# KiCad board sbc.kicad_pcb
title: Atari SBC; date: 2026-03-12; rev: 1.3
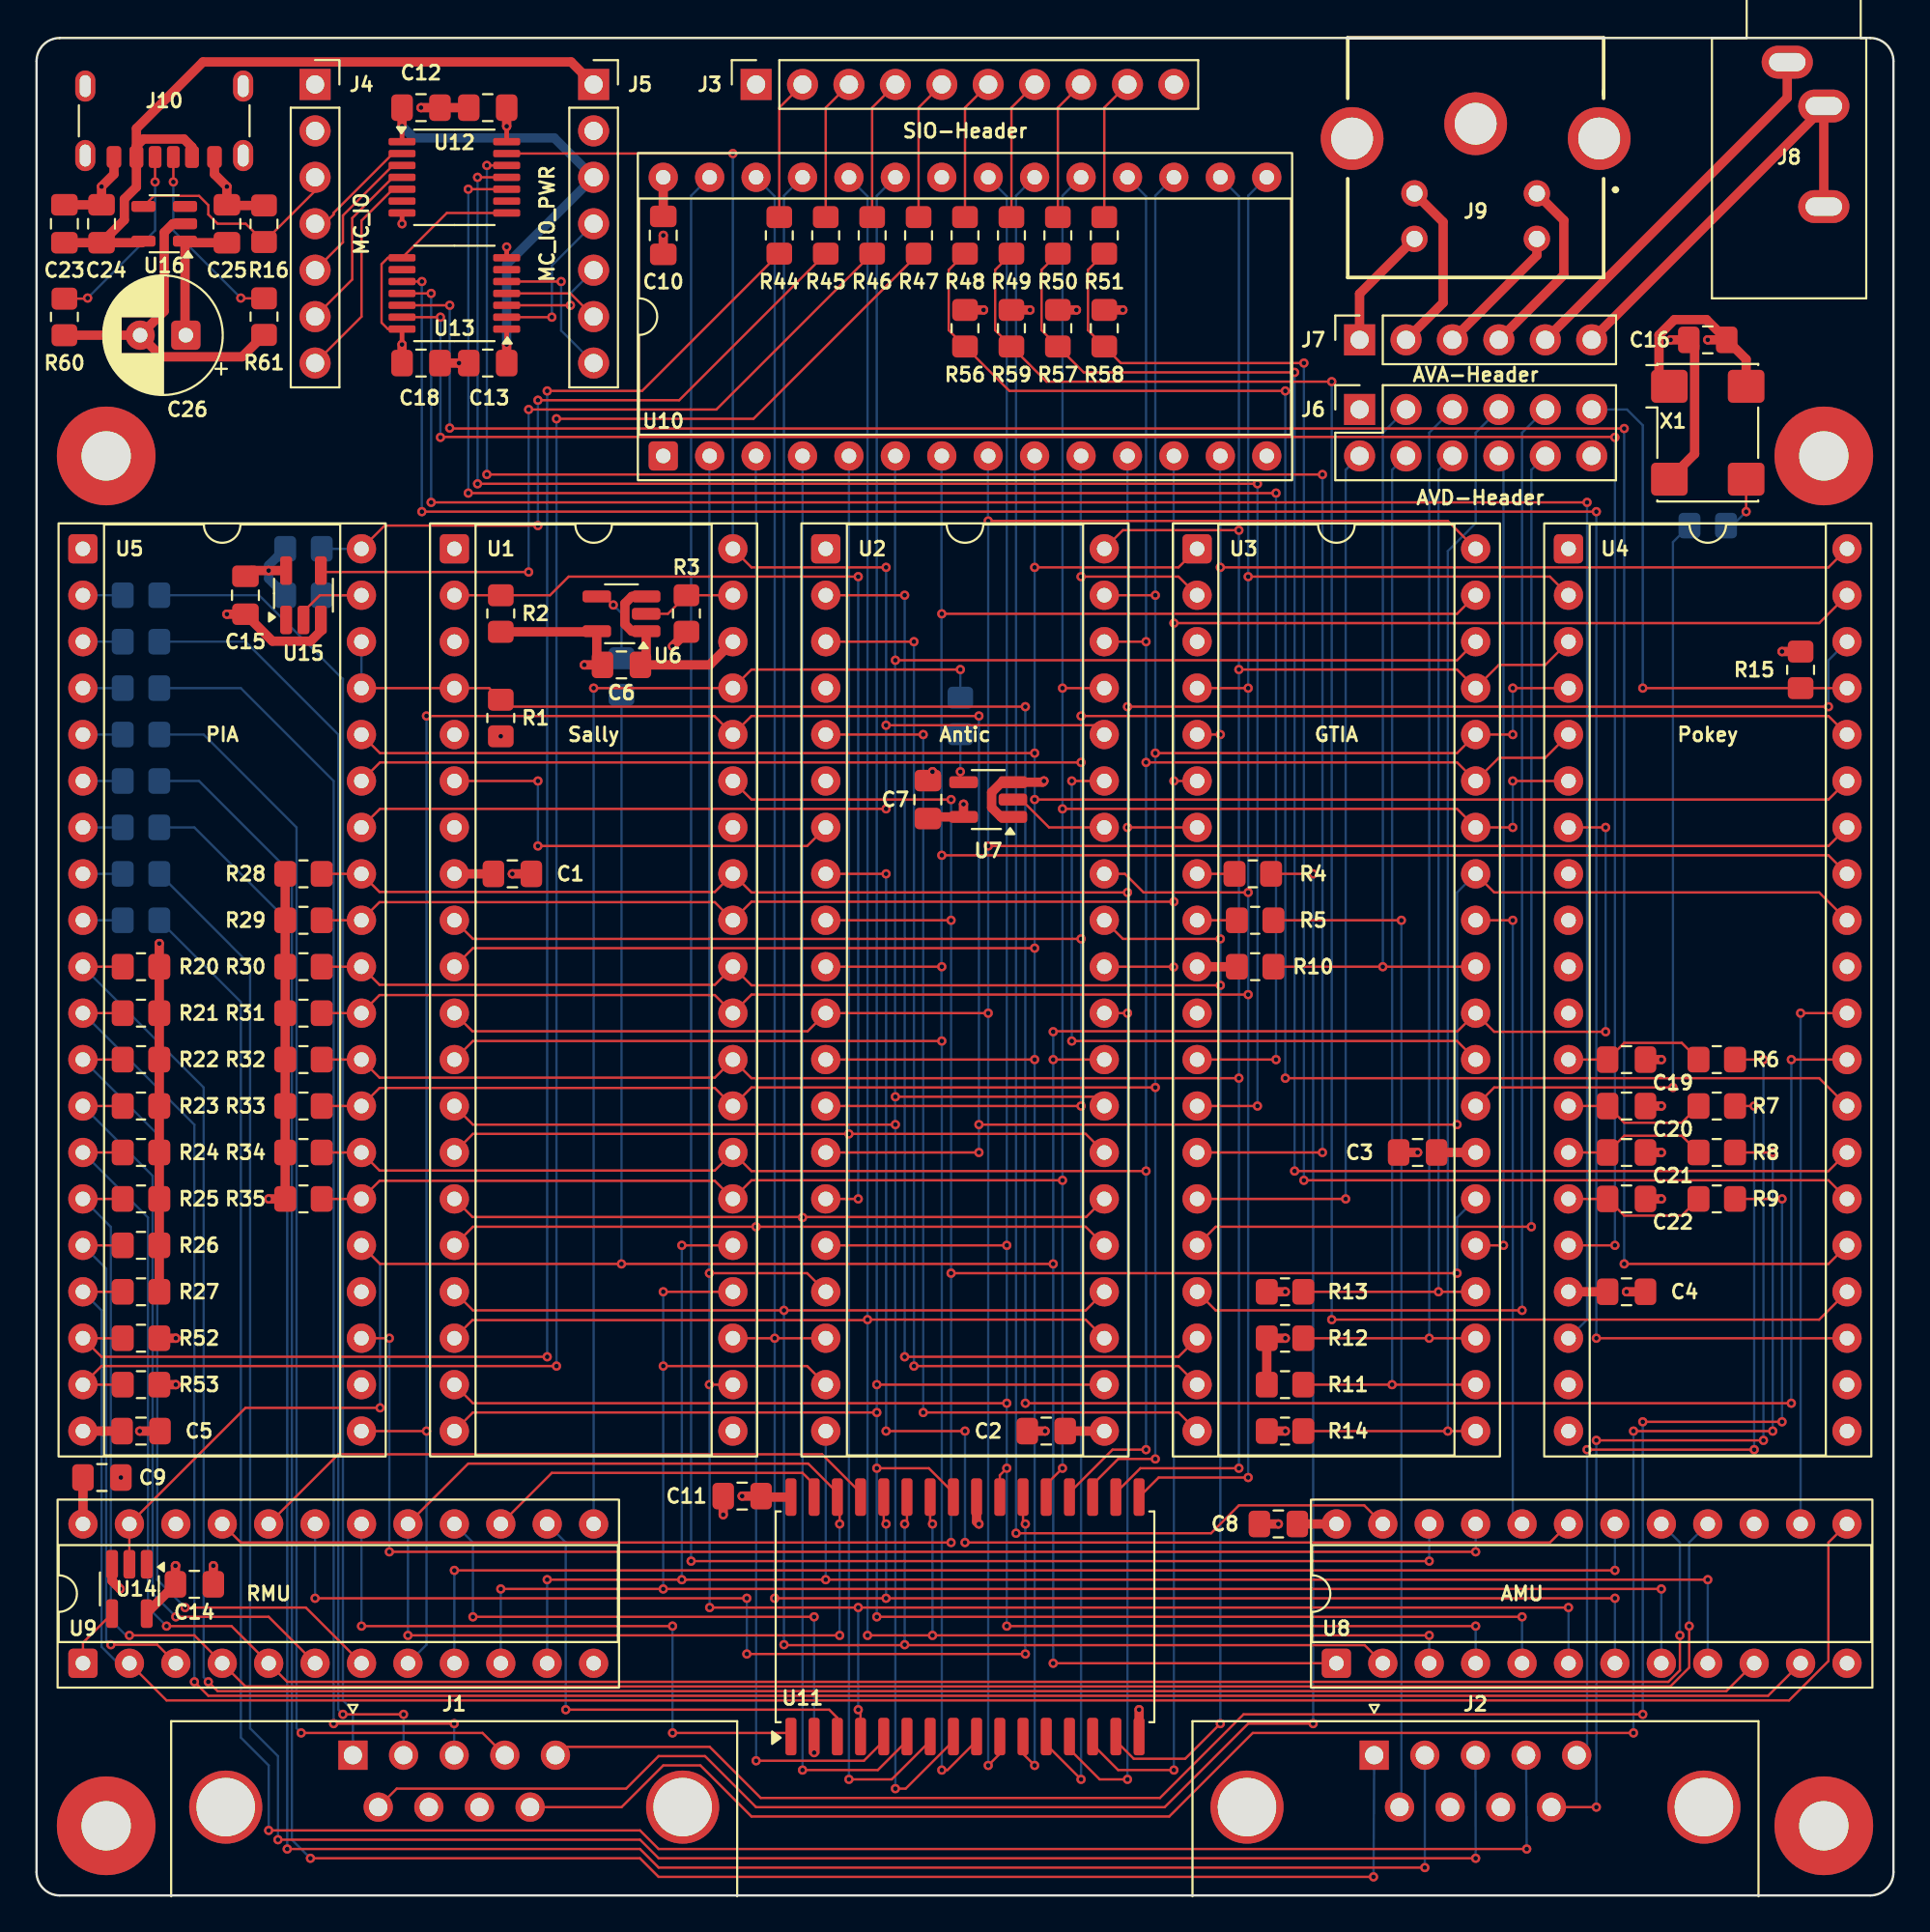
[diagram p0: board, top side]
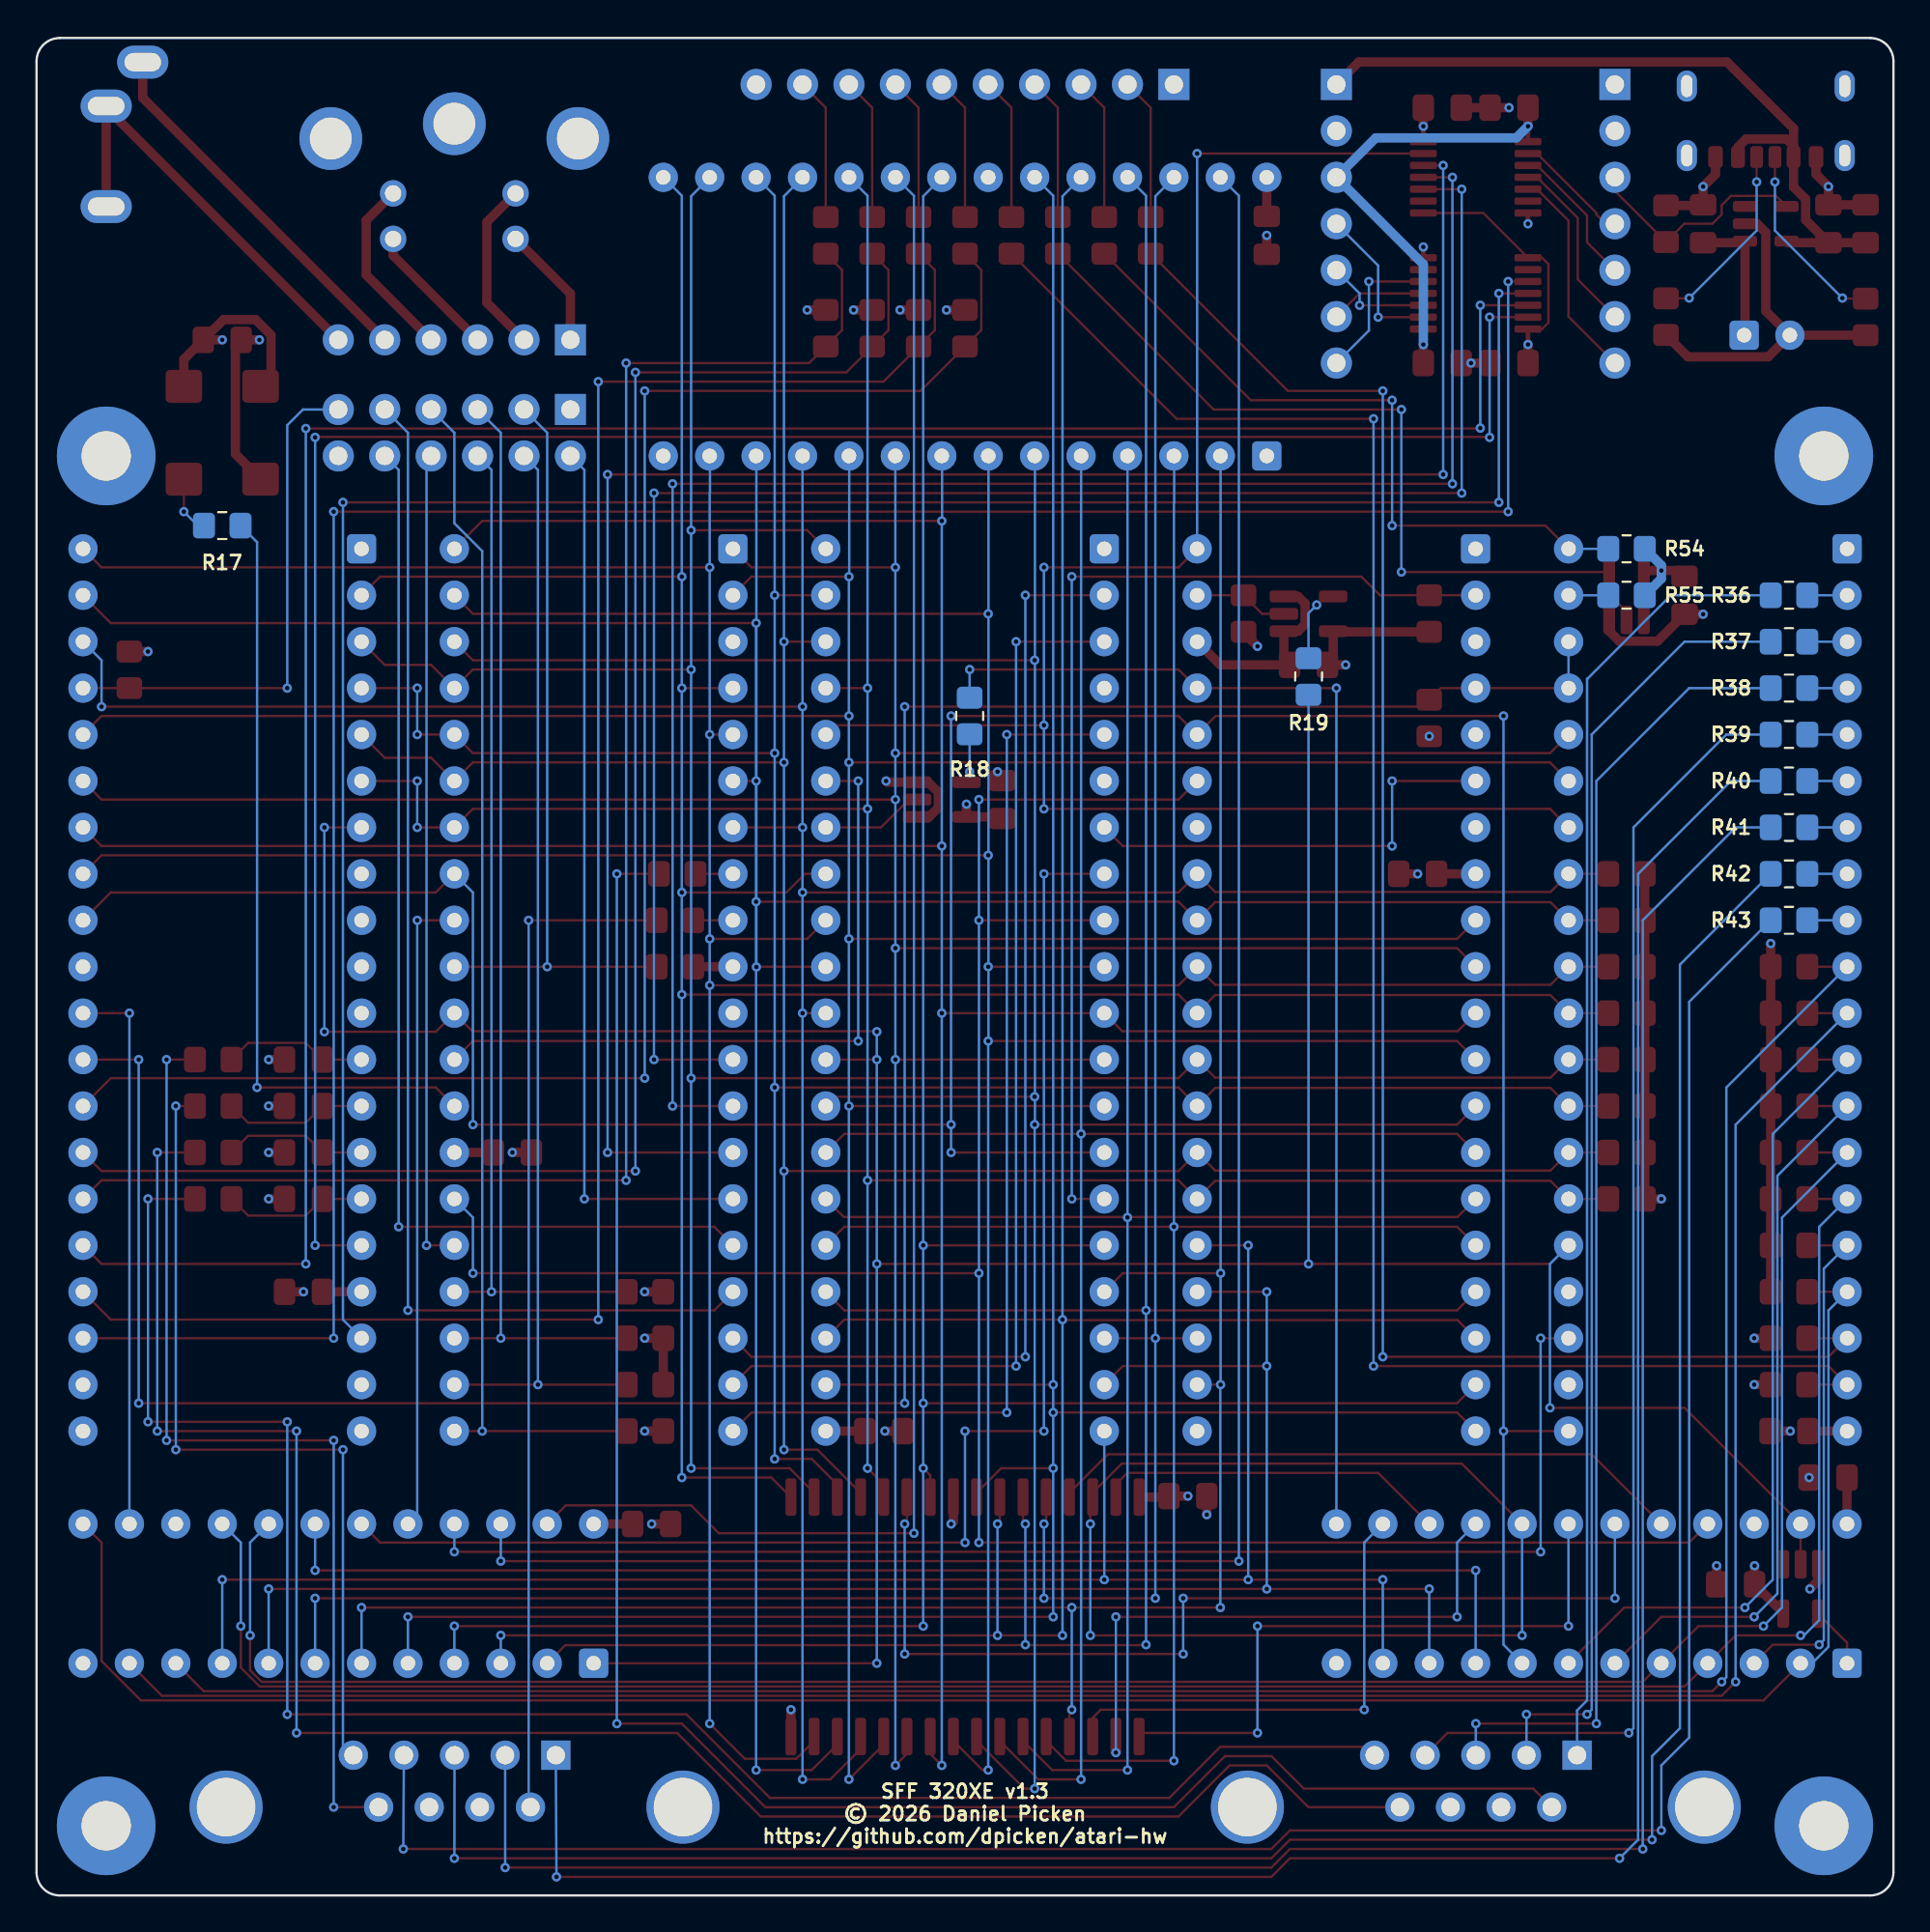
[diagram p1: board, bottom side, seen from below]

Outline 101.6 x 101.6 mm; copper layers: Top, In1.Cu (plane), In2.Cu (plane), Bottom. Coordinates in mm from the lower left corner of the outline.
Outline path: 0,100.33 arc(0.37,101.23) 1.27,101.6 100.33,101.6 arc(101.23,101.23) 101.6,100.33 101.6,1.27 arc(101.23,0.37) 100.33,0 1.27,0 arc(0.37,0.37) 0,1.27 0,100.33
Stack: Top 0.035mm / dielectric 1.51mm FR4 er 4.5 / In1.Cu 0.035mm / dielectric 1.51mm FR4 er 4.5 / In2.Cu 0.035mm / dielectric 1.51mm FR4 er 4.5 / Bottom 0.035mm

## Placement (name value [footprint] x y rotation side)
C1  0.1uF  [C_0805_2012Metric_Pad1.18x1.45mm_HandSolder]  26.04 55.88 0 top
C2  0.1uF  [C_0805_2012Metric_Pad1.18x1.45mm_HandSolder]  55.25 25.4 180 top
C3  0.1uF  [C_0805_2012Metric_Pad1.18x1.45mm_HandSolder]  75.56 40.64 180 top
C4  0.1uF  [C_0805_2012Metric_Pad1.18x1.45mm_HandSolder]  87 33.02 0 top
C5  0.1uF  [C_0805_2012Metric_Pad1.18x1.45mm_HandSolder]  5.72 25.4 0 top
C6  0.1uF  [C_0805_2012Metric_Pad1.18x1.45mm_HandSolder]  32 67.31 0 top
C7  0.1uF  [C_0805_2012Metric_Pad1.18x1.45mm_HandSolder]  48.77 59.94 90 top
C8  0.22uF  [C_0805_2012Metric_Pad1.18x1.45mm_HandSolder]  67.94 20.32 180 top
C9  0.22uF  [C_0805_2012Metric_Pad1.18x1.45mm_HandSolder]  3.58 22.86 0 top
C10  0.1uF  [C_0805_2012Metric_Pad1.18x1.45mm_HandSolder]  34.29 90.81 270 top
C11  0.1uF  [C_0805_2012Metric_Pad1.18x1.45mm_HandSolder]  38.61 21.84 180 top
C12  0.1uF  [C_0805_2012Metric_Pad1.18x1.45mm_HandSolder]  21.04 97.79 0 top
C13  0.1uF  [C_0805_2012Metric_Pad1.18x1.45mm_HandSolder]  24.69 83.82 180 top
C14  0.1uF  [C_0805_2012Metric_Pad1.18x1.45mm_HandSolder]  8.64 17.02 0 top
C15  0.1uF  [C_0805_2012Metric_Pad1.18x1.45mm_HandSolder]  11.43 71.12 270 top
C16  0.1uF  [C_0805_2012Metric_Pad1.18x1.45mm_HandSolder]  91.44 85.09 180 top
C17  0.1uF  [C_0805_2012Metric_Pad1.18x1.45mm_HandSolder]  24.69 97.79 180 top
C18  0.1uF  [C_0805_2012Metric_Pad1.18x1.45mm_HandSolder]  21.04 83.82 0 top
C19  47nF  [C_0805_2012Metric_Pad1.18x1.45mm_HandSolder]  87 45.72 0 top
C20  47nF  [C_0805_2012Metric_Pad1.18x1.45mm_HandSolder]  87 43.18 0 top
C21  47nF  [C_0805_2012Metric_Pad1.18x1.45mm_HandSolder]  87 40.64 0 top
C22  47nF  [C_0805_2012Metric_Pad1.18x1.45mm_HandSolder]  87 38.1 0 top
C23  10uF  [C_0805_2012Metric_Pad1.18x1.45mm_HandSolder]  1.52 91.44 90 top
C24  1uF  [C_0805_2012Metric_Pad1.18x1.45mm_HandSolder]  3.56 91.44 90 top
C25  0.1uF  [C_0805_2012Metric_Pad1.18x1.45mm_HandSolder]  10.41 91.44 90 top
C26  220uF  [CP_Radial_D6.3mm_P2.50mm]  8.17 85.34 180 top
H1  M2.5  [MountingHole_2.7mm_M2.5_Pad]  3.81 78.74 0 top
H2  M2.5  [MountingHole_2.7mm_M2.5_Pad]  3.81 3.81 0 top
H3  M2.5  [MountingHole_2.7mm_M2.5_Pad]  97.79 3.81 0 top
H4  M2.5  [MountingHole_2.7mm_M2.5_Pad]  97.79 78.74 0 top
J1  DE9_Pins_MountingHoles  [DSUB-9_Pins_Horizontal_P2.77x2.84mm_EdgePinOffset4.94mm_Housed_MountingHolesOffset4.94mm]  17.31 7.67 0 top
J2  DE9_Pins_MountingHoles  [DSUB-9_Pins_Horizontal_P2.77x2.84mm_EdgePinOffset4.94mm_Housed_MountingHolesOffset4.94mm]  73.19 7.67 0 top
J3  SIO-Header  [PinSocket_1x10_P2.54mm_Vertical]  39.37 99.06 90 top
J4  MC_IO  [PinSocket_1x07_P2.54mm_Vertical]  15.24 99.06 0 top
J5  MC_IO_PWR  [PinSocket_1x07_P2.54mm_Vertical]  30.48 99.06 0 top
J6  AVD-Header  [PinSocket_2x06_P2.54mm_Vertical]  72.39 81.28 90 top
J7  AVA-Header  [PinSocket_1x06_P2.54mm_Vertical]  72.39 85.09 90 top
J8  AudioOut-Connector  [Jack_3.5mm_CUI_SJ1-3533NG_Horizontal]  95.79 100.28 0 top
J9  VideoOut-Connector  [57492631]  82.09 93.1 0 top
J10  USB_C_Receptacle_PowerOnly_6P  [USB_C_Receptacle_GCT_USB4125-xx-x_6P_TopMnt_Horizontal]  6.98 98.17 180 top
R1  3K  [R_0805_2012Metric_Pad1.20x1.40mm_HandSolder]  25.4 64.41 270 top
R2  3K  [R_0805_2012Metric_Pad1.20x1.40mm_HandSolder]  25.4 70.12 270 top
R3  3K  [R_0805_2012Metric_Pad1.20x1.40mm_HandSolder]  35.56 70.12 270 top
R4  220R  [R_0805_2012Metric_Pad1.20x1.40mm_HandSolder]  66.55 55.88 0 top
R5  220R  [R_0805_2012Metric_Pad1.20x1.40mm_HandSolder]  66.68 53.34 0 top
R6  1.8K  [R_0805_2012Metric_Pad1.20x1.40mm_HandSolder]  91.93 45.72 0 top
R7  1.8K  [R_0805_2012Metric_Pad1.20x1.40mm_HandSolder]  91.93 43.18 0 top
R8  1.8K  [R_0805_2012Metric_Pad1.20x1.40mm_HandSolder]  91.93 40.64 0 top
R9  1.8K  [R_0805_2012Metric_Pad1.20x1.40mm_HandSolder]  91.93 38.1 0 top
R10  1K  [R_0805_2012Metric_Pad1.20x1.40mm_HandSolder]  66.68 50.8 180 top
R11  1K  [R_0805_2012Metric_Pad1.20x1.40mm_HandSolder]  68.31 27.94 180 top
R12  1K  [R_0805_2012Metric_Pad1.20x1.40mm_HandSolder]  68.31 30.48 180 top
R13  1K  [R_0805_2012Metric_Pad1.20x1.40mm_HandSolder]  68.31 33.02 180 top
R14  1K  [R_0805_2012Metric_Pad1.20x1.40mm_HandSolder]  68.31 25.4 180 top
R15  1K  [R_0805_2012Metric_Pad1.20x1.40mm_HandSolder]  96.52 67.04 90 top
R16  10K  [R_0805_2012Metric_Pad1.20x1.40mm_HandSolder]  12.45 91.44 270 top
R17  33R  [R_0805_2012Metric_Pad1.20x1.40mm_HandSolder]  91.44 74.93 0 bottom
R18  33R  [R_0805_2012Metric_Pad1.20x1.40mm_HandSolder]  50.55 64.52 90 bottom
R19  33R  [R_0805_2012Metric_Pad1.20x1.40mm_HandSolder]  32 66.68 270 bottom
R20  3K  [R_0805_2012Metric_Pad1.20x1.40mm_HandSolder]  5.72 50.8 180 top
R21  3K  [R_0805_2012Metric_Pad1.20x1.40mm_HandSolder]  5.72 48.26 180 top
R22  3K  [R_0805_2012Metric_Pad1.20x1.40mm_HandSolder]  5.72 45.72 180 top
R23  3K  [R_0805_2012Metric_Pad1.20x1.40mm_HandSolder]  5.72 43.18 180 top
R24  3K  [R_0805_2012Metric_Pad1.20x1.40mm_HandSolder]  5.72 40.64 180 top
R25  3K  [R_0805_2012Metric_Pad1.20x1.40mm_HandSolder]  5.72 38.1 180 top
R26  3K  [R_0805_2012Metric_Pad1.20x1.40mm_HandSolder]  5.72 35.56 180 top
R27  3K  [R_0805_2012Metric_Pad1.20x1.40mm_HandSolder]  5.72 33.02 180 top
R28  10K  [R_0805_2012Metric_Pad1.20x1.40mm_HandSolder]  14.61 55.88 0 top
R29  10K  [R_0805_2012Metric_Pad1.20x1.40mm_HandSolder]  14.61 53.34 0 top
R30  10K  [R_0805_2012Metric_Pad1.20x1.40mm_HandSolder]  14.61 50.8 0 top
R31  10K  [R_0805_2012Metric_Pad1.20x1.40mm_HandSolder]  14.61 48.26 0 top
R32  10K  [R_0805_2012Metric_Pad1.20x1.40mm_HandSolder]  14.61 45.72 0 top
R33  10K  [R_0805_2012Metric_Pad1.20x1.40mm_HandSolder]  14.61 43.18 0 top
R34  10K  [R_0805_2012Metric_Pad1.20x1.40mm_HandSolder]  14.61 40.64 0 top
R35  10K  [R_0805_2012Metric_Pad1.20x1.40mm_HandSolder]  14.61 38.1 0 top
R36  220R  [R_0805_2012Metric_Pad1.20x1.40mm_HandSolder]  5.72 71.12 0 bottom
R37  220R  [R_0805_2012Metric_Pad1.20x1.40mm_HandSolder]  5.72 68.58 0 bottom
R38  220R  [R_0805_2012Metric_Pad1.20x1.40mm_HandSolder]  5.72 66.04 0 bottom
R39  220R  [R_0805_2012Metric_Pad1.20x1.40mm_HandSolder]  5.72 63.5 0 bottom
R40  220R  [R_0805_2012Metric_Pad1.20x1.40mm_HandSolder]  5.72 60.96 0 bottom
R41  220R  [R_0805_2012Metric_Pad1.20x1.40mm_HandSolder]  5.72 58.42 0 bottom
R42  220R  [R_0805_2012Metric_Pad1.20x1.40mm_HandSolder]  5.72 55.88 0 bottom
R43  220R  [R_0805_2012Metric_Pad1.20x1.40mm_HandSolder]  5.72 53.34 0 bottom
R44  100R  [R_0805_2012Metric_Pad1.20x1.40mm_HandSolder]  40.64 90.81 90 top
R45  100R  [R_0805_2012Metric_Pad1.20x1.40mm_HandSolder]  43.18 90.81 90 top
R46  100R  [R_0805_2012Metric_Pad1.20x1.40mm_HandSolder]  45.72 90.81 90 top
R47  100R  [R_0805_2012Metric_Pad1.20x1.40mm_HandSolder]  48.26 90.81 90 top
R48  100R  [R_0805_2012Metric_Pad1.20x1.40mm_HandSolder]  50.8 90.81 90 top
R49  100R  [R_0805_2012Metric_Pad1.20x1.40mm_HandSolder]  53.34 90.81 90 top
R50  100R  [R_0805_2012Metric_Pad1.20x1.40mm_HandSolder]  55.88 90.81 90 top
R51  100R  [R_0805_2012Metric_Pad1.20x1.40mm_HandSolder]  58.42 90.81 90 top
R52  4.7K  [R_0805_2012Metric_Pad1.20x1.40mm_HandSolder]  5.72 30.48 180 top
R53  4.7K  [R_0805_2012Metric_Pad1.20x1.40mm_HandSolder]  5.72 27.94 180 top
R54  4.7K  [R_0805_2012Metric_Pad1.20x1.40mm_HandSolder]  14.61 73.66 0 bottom
R55  4.7K  [R_0805_2012Metric_Pad1.20x1.40mm_HandSolder]  14.61 71.12 0 bottom
R56  4.7K  [R_0805_2012Metric_Pad1.20x1.40mm_HandSolder]  50.8 85.73 270 top
R57  4.7K  [R_0805_2012Metric_Pad1.20x1.40mm_HandSolder]  55.88 85.73 270 top
R58  4.7K  [R_0805_2012Metric_Pad1.20x1.40mm_HandSolder]  58.42 85.73 270 top
R59  4.7K  [R_0805_2012Metric_Pad1.20x1.40mm_HandSolder]  53.34 85.73 270 top
R60  5.1K  [R_0805_2012Metric_Pad1.20x1.40mm_HandSolder]  1.52 86.34 90 top
R61  5.1K  [R_0805_2012Metric_Pad1.20x1.40mm_HandSolder]  12.45 86.36 90 top
U1  Sally  [DIP-40_W15.24mm_Socket]  22.86 73.66 0 top
U2  Antic  [DIP-40_W15.24mm_Socket]  43.18 73.66 0 top
U3  GTIA  [DIP-40_W15.24mm_Socket]  63.5 73.66 0 top
U4  Pokey  [DIP-40_W15.24mm_Socket]  83.82 73.66 0 top
U5  PIA  [DIP-40_W15.24mm_Socket]  2.54 73.66 0 top
U6  74AHCT1G125GV,125  [SOT-23-5_HandSoldering]  32 70.1 180 top
U7  74AHCT1G125GV,125  [SOT-23-5_HandSoldering]  52.07 59.94 180 top
U8  AMU  [DIP-24_W7.62mm_Socket]  71.12 12.7 90 top
U9  RMU  [DIP-24_W7.62mm_Socket]  2.54 12.7 90 top
U10  AT27C256R  [DIP-28_W15.24mm_Socket]  34.29 78.74 90 top
U11  AS6C4008-55SIN  [SOP-32_11.305x20.495mm_P1.27mm]  50.8 15.24 90 top
U12  TXU0104  [TSSOP-14_4.4x5mm_P0.65mm]  22.86 93.98 0 top
U13  TXU0204  [TSSOP-14_4.4x5mm_P0.65mm]  22.86 87.63 180 top
U14  74AHCT1G04  [SOT-23-5_HandSoldering]  5.08 16.76 270 top
U15  74AHCT1G04  [SOT-23-5_HandSoldering]  14.61 71.12 90 top
U16  AP22814AW5  [SOT-23-5]  6.98 91.44 180 top
X1  3.579545 MHz  [Oscillator_SMD_SeikoEpson_SG8002CA-4Pin_7.0x5.0mm]  91.44 80.01 270 top

## Library data of the parts
C1-C25 = -: Description: Unpolarized capacitor; ki_fp_filters: C_*
C26 = -: Description: Polarized capacitor, US symbol; ki_fp_filters: CP_*
H1-H4 = -: Description: Mounting Hole with connection; ki_fp_filters: MountingHole*Pad*
J1 J2 = -: Description: 9-pin D-SUB connector, pins (male), Mounting Hole; ki_fp_filters: DSUB*Pins*
J3 = -: Description: Generic connector, single row, 01x10, script generated; ki_fp_filters: Connector*:*_1x??_*
J4 J5 = -: Description: Generic connector, single row, 01x07, script generated; ki_fp_filters: Connector*:*_1x??_*
J6 = -: Description: Generic connector, double row, 02x06, odd/even pin numbering scheme (row 1 odd numbers, row 2 even numbers), script generated (kicad-library-utils/schlib/autogen/connector/); ki_fp_filters: Connector*:*_2x??_*
J7 = -: Description: Generic connector, single row, 01x06, script generated; ki_fp_filters: Connector*:*_1x??_*
J8 = -: Description: Audio Jack, 3 Poles (Stereo / TRS); ki_fp_filters: Jack*
J9 = -: Datasheet: http://service.powerdynamics.com/ec/Catalog17/Section%2011.pdf; Description: 4-pin Mini-DIN connector; ki_fp_filters: MINI?DIN*
J10 = -: Datasheet: https://www.usb.org/sites/default/files/documents/usb_type-c.zip; Description: USB Power-Only 6P Type-C Receptacle connector; ki_fp_filters: USB*C*Receptacle*
R1-R61 = -: Description: Resistor; ki_fp_filters: R_*
U6 U7 = -: Datasheet: http://www.ti.com/lit/sg/scyt129e/scyt129e.pdf; Description: Single Buffer Gate Tri-State, Low-Voltage CMOS; ki_fp_filters: SOT* SG-*
U8 U9 = -: Datasheet: https://ww1.microchip.com/downloads/en/DeviceDoc/doc0735.pdf
U10 = -: Datasheet: http://ww1.microchip.com/downloads/en/DeviceDoc/doc0014.pdf; Description: OTP EPROM 256 KiBit; ki_fp_filters: DIP*W15.24mm*
U11 = -: Datasheet: https://www.alliancememory.com/wp-content/uploads/pdf/AS6C4008.pdf; Description: 512K x 8 Low Power CMOS RAM, DIP-32; ki_fp_filters: DIP*W15.24mm*
U12 = -: Datasheet: http://www.ti.com/lit/ds/symlink/txb0104.pdf; Description: 4-Bit Bidirectional Voltage-Level Translator, Auto Direction Sensing and ±15-kV ESD Protection, 1.2 - 3.6V APort, 1.65 - 5.5V BPort, SOIC-14; ki_fp_filters: SOIC*14*7mm*P1.27mm*
U13 = -: Datasheet: http://www.ti.com/lit/ds/symlink/txb0104.pdf; Description: 4-Bit Bidirectional Voltage-Level Translator, Auto Direction Sensing and ±15-kV ESD Protection, 1.2 - 3.6V APort, 1.65 - 5.5V BPort, TSSOP-14; ki_fp_filters: TSSOP*14*5mm*P0.65mm*
U14 U15 = -: Datasheet: http://www.ti.com/lit/sg/scyt129e/scyt129e.pdf; Description: Single NOT Gate, Low-Voltage CMOS; ki_fp_filters: SOT* SG-*
U16 = -: Datasheet: https://www.diodes.com/assets/Datasheets/AP22804_14.pdf; Description: Current limited 3A power switch, single channel, SOT-23-5; ki_fp_filters: SOT?23*
X1 = -: Datasheet: https://support.epson.biz/td/api/doc_check.php?mode=dl&lang=en&Parts=SG-8002DC; Description: CMOS Clock Oscillator 1 to 125 MHz; ki_fp_filters: Oscillator*SMD*SeikoEpson*SG8002CA*7.0x5.0mm*

## Footprints (pads in the part's own frame, mm; a bottom-side part is the same pattern mirrored in y, then rotated)
57492631
  round 1.446 hole 0.89: 1(-6.7,0) 2(0,0) 3(-6.7,-2.49) 4(0,-2.49)
  round 3.435 hole 2.29: MH1(-3.35,3.81) MH2(-10.11,3) MH3(3.41,3)
C_0805_2012Metric_Pad1.18x1.45mm_HandSolder
  rrect 1.175x1.45 smd: 1(-1.038,0) 2(1.038,0)
CP_Radial_D6.3mm_P2.50mm
  rrect 1.6x1.6 hole 0.8: 1(0,0)
  round 1.6 hole 0.8: 2(2.5,0)
DIP-24_W7.62mm_Socket
  rrect 1.6x1.6 hole 0.8: 1(0,0)
  round 1.6 hole 0.8: 2(0,-2.54) 3(0,-5.08) 4(0,-7.62) 5(0,-10.16) 6(0,-12.7) 7(0,-15.24) 8(0,-17.78) 9(0,-20.32) 10(0,-22.86) 11(0,-25.4) 12(0,-27.94) 13(7.62,-27.94) 14(7.62,-25.4) 15(7.62,-22.86) 16(7.62,-20.32) 17(7.62,-17.78) 18(7.62,-15.24) 19(7.62,-12.7) 20(7.62,-10.16) 21(7.62,-7.62) 22(7.62,-5.08) 23(7.62,-2.54) 24(7.62,0)
DIP-28_W15.24mm_Socket
  rrect 1.6x1.6 hole 0.8: 1(0,0)
  round 1.6 hole 0.8: 2(0,-2.54) 3(0,-5.08) 4(0,-7.62) 5(0,-10.16) 6(0,-12.7) 7(0,-15.24) 8(0,-17.78) 9(0,-20.32) 10(0,-22.86) 11(0,-25.4) 12(0,-27.94) 13(0,-30.48) 14(0,-33.02) 15(15.24,-33.02) 16(15.24,-30.48) 17(15.24,-27.94) 18(15.24,-25.4) 19(15.24,-22.86) 20(15.24,-20.32) 21(15.24,-17.78) 22(15.24,-15.24) 23(15.24,-12.7) 24(15.24,-10.16) 25(15.24,-7.62) 26(15.24,-5.08) 27(15.24,-2.54) 28(15.24,0)
DIP-40_W15.24mm_Socket
  rrect 1.6x1.6 hole 0.8: 1(0,0)
  round 1.6 hole 0.8: 2(0,-2.54) 3(0,-5.08) 4(0,-7.62) 5(0,-10.16) 6(0,-12.7) 7(0,-15.24) 8(0,-17.78) 9(0,-20.32) 10(0,-22.86) 11(0,-25.4) 12(0,-27.94) 13(0,-30.48) 14(0,-33.02) 15(0,-35.56) 16(0,-38.1) 17(0,-40.64) 18(0,-43.18) 19(0,-45.72) 20(0,-48.26) 21(15.24,-48.26) 22(15.24,-45.72) 23(15.24,-43.18) 24(15.24,-40.64) 25(15.24,-38.1) 26(15.24,-35.56) 27(15.24,-33.02) 28(15.24,-30.48) 29(15.24,-27.94) 30(15.24,-25.4) 31(15.24,-22.86) 32(15.24,-20.32) 33(15.24,-17.78) 34(15.24,-15.24) 35(15.24,-12.7) 36(15.24,-10.16) 37(15.24,-7.62) 38(15.24,-5.08) 39(15.24,-2.54) 40(15.24,0)
DSUB-9_Pins_Horizontal_P2.77x2.84mm_EdgePinOffset4.94mm_Housed_MountingHolesOffset4.94mm
  round 4 hole 3.2: 0(-6.96,-2.84) 0(18.04,-2.84)
  rect 1.6x1.6 hole 1: 1(0,0)
  round 1.6 hole 1: 2(2.77,0) 3(5.54,0) 4(8.31,0) 5(11.08,0) 6(1.385,-2.84) 7(4.155,-2.84) 8(6.925,-2.84) 9(9.695,-2.84)
Jack_3.5mm_CUI_SJ1-3533NG_Horizontal
  oval 2.8x1.8 hole 2x1: R(2,-7.9) S(0,0) T(2,-2.4)
MountingHole_2.7mm_M2.5_Pad
  round 5.4 hole 2.7: 1(0,0)
Oscillator_SMD_SeikoEpson_SG8002CA-4Pin_7.0x5.0mm
  rrect 1.8x2 smd: 1(-2.54,-2.1) 2(2.54,-2.1) 3(2.54,2.1) 4(-2.54,2.1)
PinSocket_1x06_P2.54mm_Vertical
  rect 1.7x1.7 hole 1: 1(0,0)
  round 1.7 hole 1: 2(0,-2.54) 3(0,-5.08) 4(0,-7.62) 5(0,-10.16) 6(0,-12.7)
PinSocket_1x07_P2.54mm_Vertical
  rect 1.7x1.7 hole 1: 1(0,0)
  round 1.7 hole 1: 2(0,-2.54) 3(0,-5.08) 4(0,-7.62) 5(0,-10.16) 6(0,-12.7) 7(0,-15.24)
PinSocket_1x10_P2.54mm_Vertical
  rect 1.7x1.7 hole 1: 1(0,0)
  round 1.7 hole 1: 2(0,-2.54) 3(0,-5.08) 4(0,-7.62) 5(0,-10.16) 6(0,-12.7) 7(0,-15.24) 8(0,-17.78) 9(0,-20.32) 10(0,-22.86)
PinSocket_2x06_P2.54mm_Vertical
  rect 1.7x1.7 hole 1: 1(0,0)
  round 1.7 hole 1: 2(-2.54,0) 3(0,-2.54) 4(-2.54,-2.54) 5(0,-5.08) 6(-2.54,-5.08) 7(0,-7.62) 8(-2.54,-7.62) 9(0,-10.16) 10(-2.54,-10.16) 11(0,-12.7) 12(-2.54,-12.7)
R_0805_2012Metric_Pad1.20x1.40mm_HandSolder
  rrect 1.2x1.4 smd: 1(-1,0) 2(1,0)
SOP-32_11.305x20.495mm_P1.27mm
  rrect 2.05x0.6 smd: 1(-6.55,9.525) 2(-6.55,8.255) 3(-6.55,6.985) 4(-6.55,5.715) 5(-6.55,4.445) 6(-6.55,3.175) 7(-6.55,1.905) 8(-6.55,0.635) 9(-6.55,-0.635) 10(-6.55,-1.905) 11(-6.55,-3.175) 12(-6.55,-4.445) 13(-6.55,-5.715) 14(-6.55,-6.985) 15(-6.55,-8.255) 16(-6.55,-9.525) 17(6.55,-9.525) 18(6.55,-8.255) 19(6.55,-6.985) 20(6.55,-5.715) 21(6.55,-4.445) 22(6.55,-3.175) 23(6.55,-1.905) 24(6.55,-0.635) 25(6.55,0.635) 26(6.55,1.905) 27(6.55,3.175) 28(6.55,4.445) 29(6.55,5.715) 30(6.55,6.985) 31(6.55,8.255) 32(6.55,9.525)
SOT-23-5
  rrect 1.325x0.6 smd: 1(-1.137,0.95) 2(-1.137,0) 3(-1.137,-0.95) 4(1.137,-0.95) 5(1.137,0.95)
SOT-23-5_HandSoldering
  rrect 1.56x0.65 smd: 1(-1.35,0.95) 2(-1.35,0) 3(-1.35,-0.95) 4(1.35,-0.95) 5(1.35,0.95)
TSSOP-14_4.4x5mm_P0.65mm
  rrect 1.475x0.4 smd: 1(-2.862,1.95) 2(-2.862,1.3) 3(-2.862,0.65) 4(-2.862,0) 5(-2.862,-0.65) 6(-2.862,-1.3) 7(-2.862,-1.95) 8(2.862,-1.95) 9(2.862,-1.3) 10(2.862,-0.65) 11(2.862,0) 12(2.862,0.65) 13(2.862,1.3) 14(2.862,1.95)
USB_C_Receptacle_GCT_USB4125-xx-x_6P_TopMnt_Horizontal
  rrect 0.7x1.2 smd: A5(-0.5,3.08) B5(0.5,3.08)
  rrect 0.76x1.2 smd: A9(1.52,3.08) B9(-1.52,3.08)
  rrect 0.8x1.2 smd: A12(2.75,3.08) B12(-2.75,3.08)
  oval 1.1x1.7 hole 0.6x1.2: S1(-4.32,3) S1(-4.32,-0.8) S1(4.32,3) S1(4.32,-0.8)